# Allegro board 8880F5-0825_4.brd (continued)
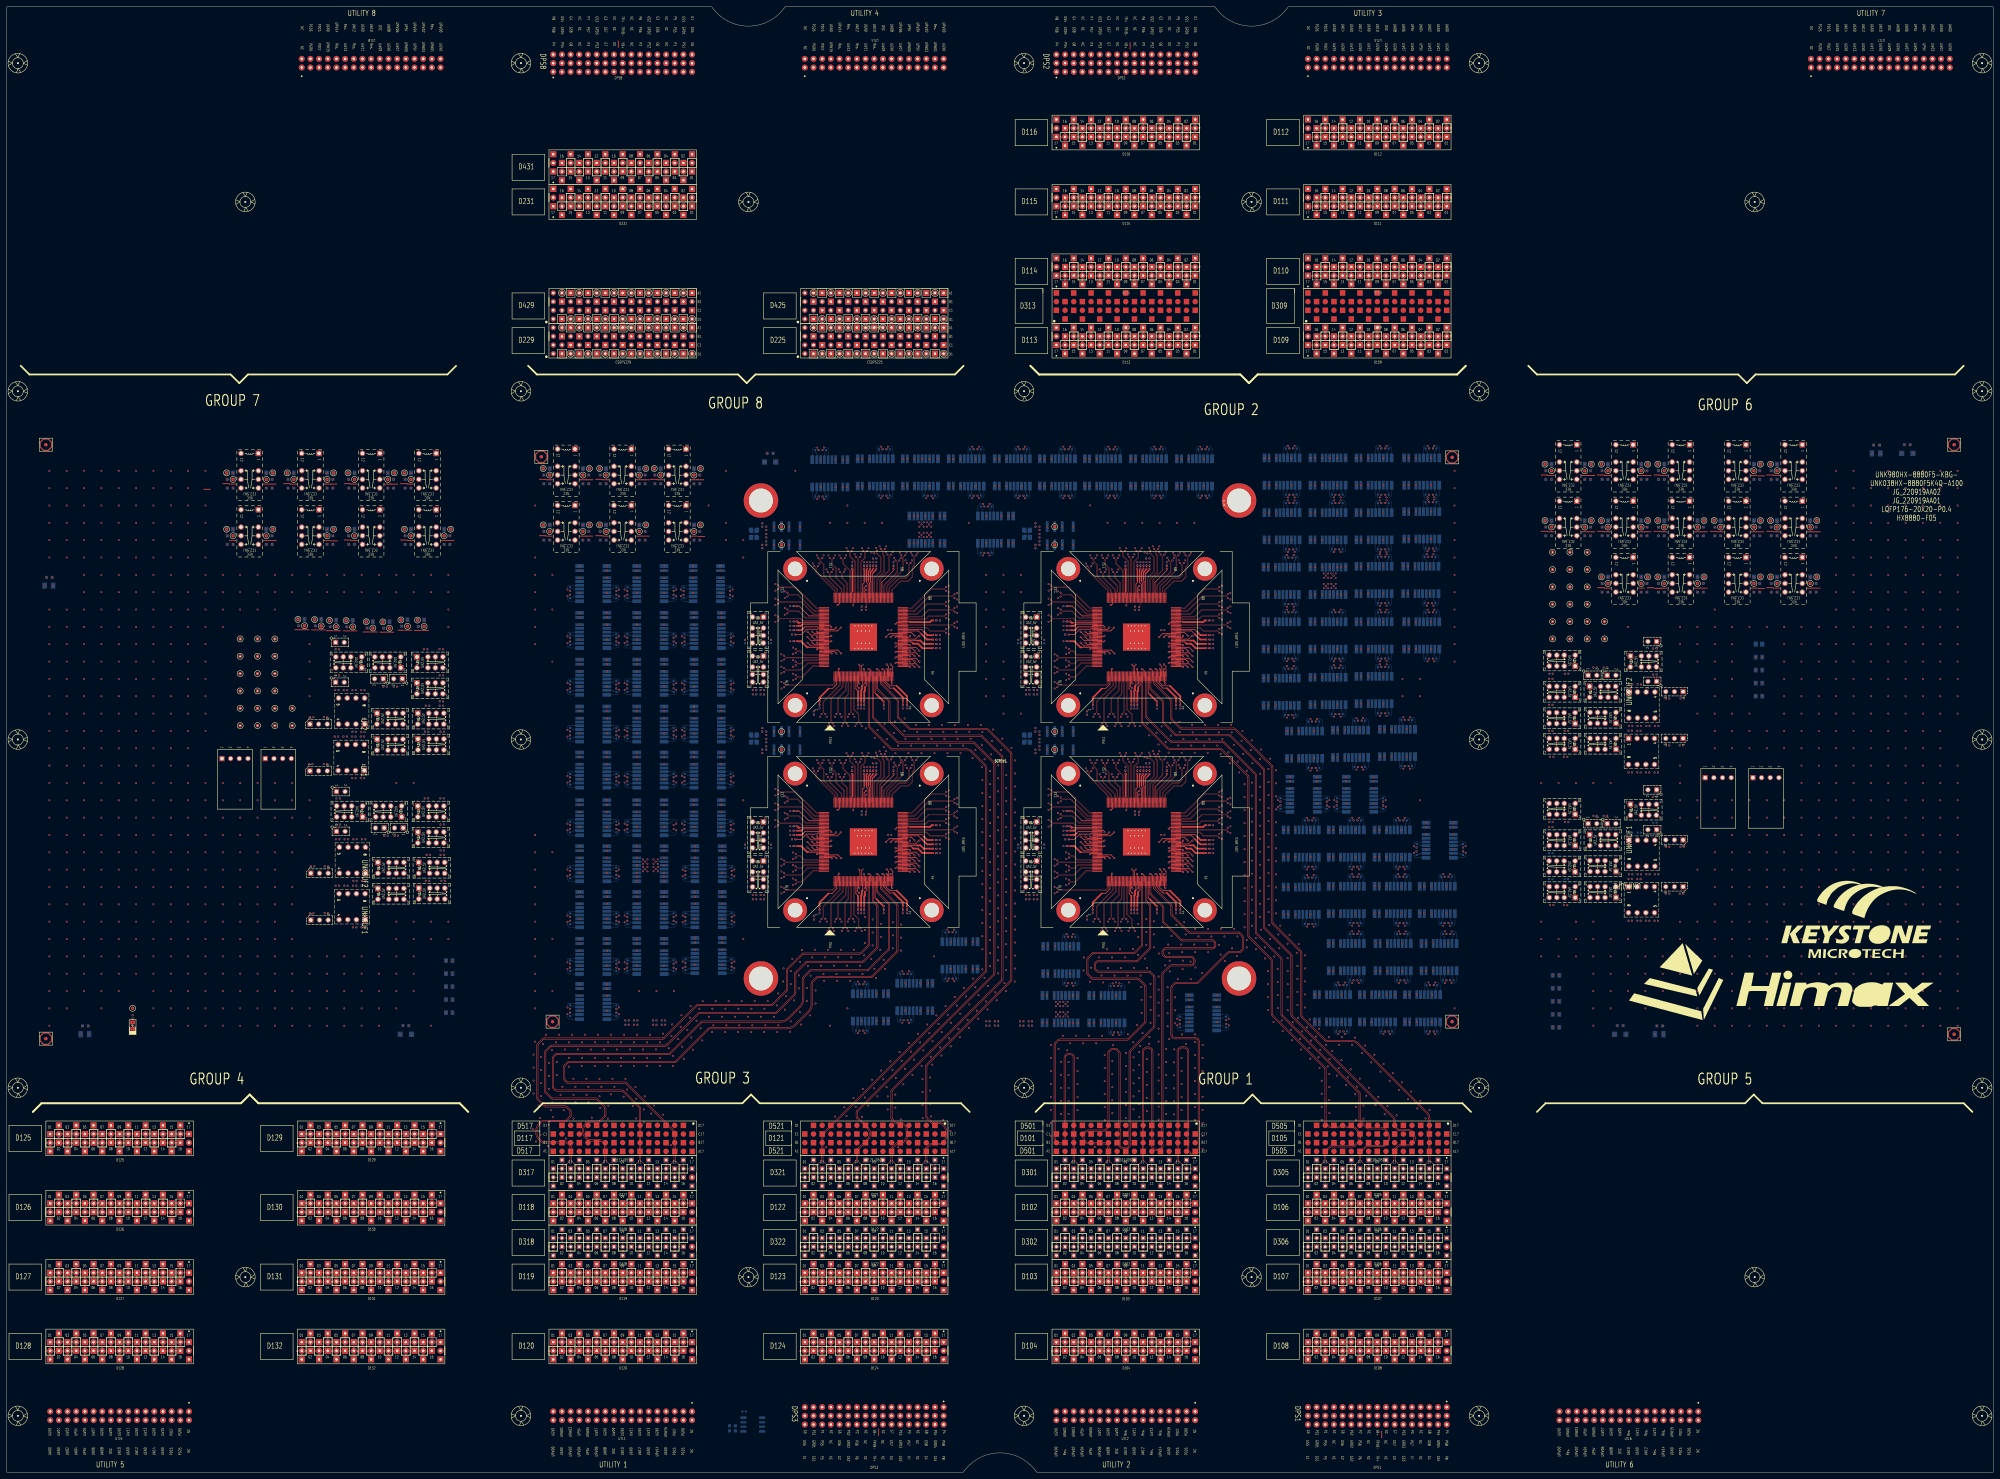
[diagram p0: board, top side]
## Routing (per net, layer and track width the routed paths; a pad name or vN(x,y) marks a point on that pad's centre or on a via; arc(x,y) is an arc through that point) (continued)
N26125713: length 3
  BOTTOM w0.119: R52.1 178.01,228.6 177.54,229.07 K24.4
N26125715: length 3
  BOTTOM w0.119: K24.6 165.87,231.27 165.4,231.74 R53.2
N26125717: length 3
  BOTTOM w0.119: R54.1 165.4,228.6 165.87,229.07 K24.5
N26125746: length 3
  BOTTOM w0.119: R102.2 211.54,245.46 211.07,244.98 K22.3
N26125748: length 3
  BOTTOM w0.119: R103.1 211.54,242.31 211.07,242.78 K22.4
N26125750: length 3
  BOTTOM w0.119: K27.3 177.54,244.98 178.01,245.46 R104.2
N26125752: length 3
  BOTTOM w0.119: R105.1 178.01,242.31 177.54,242.78 K27.4
N26138300:
  vias: v1(113.29,230.12)
N26138322:
  vias: v1(110.24,230.12)
N26323523: length 3
  BOTTOM w0.119: K17.3 255.9,298.7 255.43,299.17 R71.2
N26323525: length 3
  BOTTOM w0.119: K17.4 258.1,298.7 258.58,299.17 R72.1
N26323527: length 3
  BOTTOM w0.119: K17.5 258.1,287.03 258.58,286.55 R74.1
N26323529: length 3
  BOTTOM w0.119: K17.6 255.9,287.03 255.43,286.55 R73.2
N26323531: length 3
  BOTTOM w0.119: R75.2 282.1,299.17 282.57,298.7 K21.3
N26323533: length 3
  BOTTOM w0.119: R76.1 285.25,299.17 284.77,298.7 K21.4
N26323535: length 3
  BOTTOM w0.119: K21.5 284.77,287.03 285.25,286.55 R78.1
N26323537: length 3
  BOTTOM w0.119: R77.2 282.1,286.55 282.57,287.03 K21.6
N26323539: length 3
  BOTTOM w0.119: K29.3 177.54,258.7 178.01,259.17 R79.2
N26323541: length 3
  BOTTOM w0.119: R80.1 178.01,256.03 177.54,256.5 K29.4
N26323543: length 3
  BOTTOM w0.119: R43.2 165.4,259.17 165.87,258.7 K29.6
N26323545: length 3
  BOTTOM w0.119: K29.5 165.87,256.5 165.4,256.03 R44.1
N26323547: length 3
  BOTTOM w0.119: R63.2 194.78,259.17 194.3,258.7 K30.3
N26323549: length 3
  BOTTOM w0.119: R64.1 194.78,256.03 194.3,256.5 K30.4
N26323551: length 3
  BOTTOM w0.119: K30.5 182.63,256.5 182.16,256.03 R101.1
N26323553: length 3
  BOTTOM w0.119: K30.6 182.63,258.7 182.16,259.17 R100.2
N26325241: length 3
  BOTTOM w0.119: K16.3 239.4,286.77 239.87,286.3 R67.2
N26325243: length 3
  BOTTOM w0.119: R68.1 236.72,286.3 237.2,286.77 K16.4
N26325245: length 3
  BOTTOM w0.119: R70.1 236.72,298.92 237.2,298.44 K16.5
N26325247: length 3
  BOTTOM w0.119: K16.6 239.4,298.44 239.87,298.92 R69.2
N26326910: length 3
  BOTTOM w0.119: R30.1 338.59,286.55 338.11,287.03 K6.5
N26326941: length 3
  BOTTOM w0.119: K6.3 335.91,298.7 335.44,299.17 R27.2
N26326943: length 3
  BOTTOM w0.119: K6.4 338.11,298.7 338.59,299.17 R28.1
N26326945: length 3
  BOTTOM w0.119: R29.2 335.44,286.55 335.91,287.03 K6.6
N26326947: length 3
  BOTTOM w0.119: R34.1 325.12,286.55 324.65,287.03 K7.5
N26326959: length 3
  BOTTOM w0.119: R31.2 321.98,299.17 322.45,298.7 K7.3
N26326961: length 3
  BOTTOM w0.119: R32.1 325.12,299.17 324.65,298.7 K7.4
N26326963: length 3
  BOTTOM w0.119: R33.2 321.98,286.55 322.45,287.03 K7.6
N26327095: length 3
  BOTTOM w0.119: R39.2 288.38,269.79 287.91,270.26 K11.3
N26327097: length 3
  BOTTOM w0.119: R40.1 285.24,269.79 285.71,270.26 K11.4
N26327099: length 3
  BOTTOM w0.119: K8.5 271.31,287.03 271.78,286.55 R38.1
N26327103: length 3
  BOTTOM w0.119: R37.2 268.64,286.55 269.11,287.03 K8.6
N26327105: length 3
  BOTTOM w0.119: K11.6 287.91,281.93 288.38,282.41 R41.2
N26327107: length 3
  BOTTOM w0.119: K11.5 285.71,281.93 285.24,282.41 R42.1
N26328546: length 3
  BOTTOM w0.119: K5.5 351.58,287.03 352.05,286.55 R26.1
N26328550: length 3
  BOTTOM w0.119: K5.3 349.38,298.7 348.9,299.17 R23.2
N26328552: length 3
  BOTTOM w0.119: R24.1 352.05,299.17 351.58,298.7 K5.4
N26328554: length 3
  BOTTOM w0.119: K5.6 349.38,287.03 348.9,286.55 R25.2
N26330264: length 3
  BOTTOM w0.119: R18.1 298.71,286.55 298.24,287.03 K3.5
N26330266: length 3
  BOTTOM w0.119: K3.6 296.04,287.03 295.56,286.55 R17.2
N26330268: length 3
  BOTTOM w0.119: K3.4 298.24,298.7 298.71,299.17 R16.1
N26330270: length 3
  BOTTOM w0.119: R15.2 295.56,299.17 296.04,298.7 K3.3
N26330276: length 3
  BOTTOM w0.119: K1.5 165.87,215.35 165.4,214.88 R10.1
N26330278: length 3
  BOTTOM w0.119: K1.6 165.87,217.55 165.4,218.02 R9.2
N26330280: length 3
  BOTTOM w0.119: K1.4 177.54,215.35 178.01,214.88 R8.1
N26330282: length 3
  BOTTOM w0.119: K1.3 177.54,217.55 178.01,218.02 R7.2
N26330286: length 3
  BOTTOM w0.119: K2.3 211.07,231.27 211.54,231.74 R11.2
N26330288: length 3
  BOTTOM w0.119: R12.1 211.54,228.6 211.07,229.07 K2.4
N26330290: length 3
  BOTTOM w0.119: R22.1 311.92,286.55 311.44,287.03 K4.5
N26330294: length 3
  BOTTOM w0.119: R19.2 308.77,299.17 309.24,298.7 K4.3
N26330296: length 3
  BOTTOM w0.119: K4.4 311.44,298.7 311.92,299.17 R20.1
N26330298: length 3
  BOTTOM w0.119: R21.2 308.77,286.55 309.24,287.03 K4.6
N26330300: length 3
  BOTTOM w0.119: K2.5 199.4,229.07 198.92,228.6 R14.1
N26330302: length 3
  BOTTOM w0.119: R13.2 198.92,231.74 199.4,231.27 K2.6
N26336814:
  vias: v1(123.12,241.1)
N26336816:
  vias: v1(127.7,241.1)
N26336828:
  vias: v1(222.38,273.82) v1(222.38,272.66) v1(224.65,271.67)
N26336832:
  vias: v1(222.38,275.98) v1(222.38,274.82) v1(224.65,276.97)
N26336834:
  vias: v1(221.21,276.98) v1(222.38,276.98)
N26336836:
  vias: v1(221.21,271.66) v1(222.38,271.66)
N26336892:
  vias: v1(127.75,225.81)
N26336894:
  vias: v1(127.75,233.43)
N26337539:
  vias: v1(96.27,241.05)
N26337547:
  vias: v1(96.27,233.43)
N26486525: length 3
  BOTTOM w0.119: UNK2R55.2 401.48,235.42 401.95,234.94 UNK2K25.3
N26486526: length 3
  BOTTOM w0.119: UNK2K25.4 404.15,234.94 404.63,235.42 UNK2R56.1
N26486527: length 3
  BOTTOM w0.119: UNK2R57.2 401.48,222.8 401.95,223.27 UNK2K25.6
N26486528: length 3
  BOTTOM w0.119: UNK2K25.5 404.15,223.27 404.63,222.8 UNK2R58.1
N26486530: length 3
  BOTTOM w0.119: UNK2R59.2 394.62,219.67 395.1,219.2 UNK2K26.3
N26486531: length 3
  BOTTOM w0.119: UNK2K26.4 397.3,219.2 397.77,219.67 UNK2R60.1
N26486532: length 3
  BOTTOM w0.119: UNK2R61.2 394.62,207.05 395.1,207.52 UNK2K26.6
N26486533: length 3
  BOTTOM w0.119: UNK2R62.1 397.77,207.05 397.3,207.52 UNK2K26.5
N26486535: length 3
  BOTTOM w0.119: UNK2R66.1 384.31,206.8 383.83,207.27 UNK2K27.5
N26486536: length 3
  BOTTOM w0.119: UNK2R65.2 381.16,206.8 381.63,207.27 UNK2K27.6
N26486543: length 3
  BOTTOM w0.119: UNK2K22.6 374.78,222.76 374.3,222.29 UNK2R45.2
N26486544: length 3
  BOTTOM w0.119: UNK2R46.1 377.45,222.29 376.98,222.76 UNK2K22.5
N26486545: length 3
  BOTTOM w0.119: UNK2R47.2 388.02,235.16 388.49,234.69 UNK2K23.3
N26486546: length 3
  BOTTOM w0.119: UNK2K23.4 390.69,234.69 391.16,235.16 UNK2R48.1
N26486547: length 3
  BOTTOM w0.119: UNK2R49.2 388.02,222.55 388.49,223.02 UNK2K23.6
N26486548: length 3
  BOTTOM w0.119: UNK2R50.1 391.16,222.55 390.69,223.02 UNK2K23.5
N26486550: length 3
  BOTTOM w0.119: UNK2K24.3 388.49,250.95 388.02,251.42 UNK2R51.2
N26486551: length 3
  BOTTOM w0.119: UNK2R52.1 391.16,251.42 390.69,250.95 UNK2K24.4
N26486552: length 3
  BOTTOM w0.119: UNK2R53.2 388.02,238.8 388.49,239.27 UNK2K24.6
N26486553: length 3
  BOTTOM w0.119: UNK2K24.5 390.69,239.27 391.16,238.8 UNK2R54.1
N26486568: length 3
  BOTTOM w0.119: UNK2R102.2 374.3,234.91 374.78,234.44 UNK2K22.3
N26486569: length 3
  BOTTOM w0.119: UNK2R103.1 377.45,234.91 376.98,234.44 UNK2K22.4
N26486570: length 3
  BOTTOM w0.119: UNK2R104.2 381.16,219.41 381.63,218.94 UNK2K27.3
N26486571: length 3
  BOTTOM w0.119: UNK2K27.4 383.83,218.94 384.31,219.41 UNK2R105.1
N26486686:
  vias: v1(465.57,235.71)
N26486691:
  vias: v1(468.62,235.71)
N26486726: length 3
  BOTTOM w0.119: UNK2R71.2 374.56,299.42 375.03,298.95 UNK2K17.3
N26486727: length 3
  BOTTOM w0.119: UNK2R72.1 377.7,299.42 377.23,298.95 UNK2K17.4
N26486728: length 3
  BOTTOM w0.119: UNK2R74.1 377.7,286.81 377.23,287.28 UNK2K17.5
N26486729: length 3
  BOTTOM w0.119: UNK2R73.2 374.56,286.81 375.03,287.28 UNK2K17.6
N26486730: length 3
  BOTTOM w0.119: UNK2R75.2 401.48,299.42 401.95,298.95 UNK2K21.3
N26486731: length 3
  BOTTOM w0.119: UNK2R76.1 404.63,299.42 404.15,298.95 UNK2K21.4
N26486732: length 3
  BOTTOM w0.119: UNK2K21.5 404.15,287.28 404.63,286.81 UNK2R78.1
N26486733: length 3
  BOTTOM w0.119: UNK2K21.6 401.95,287.28 401.48,286.81 UNK2R77.2
N26486734: length 3
  BOTTOM w0.119: UNK2K29.3 374.78,250.95 374.3,251.42 UNK2R79.2
N26486735: length 3
  BOTTOM w0.119: UNK2R80.1 377.45,251.42 376.98,250.95 UNK2K29.4
N26486736: length 3
  BOTTOM w0.119: UNK2R43.2 374.3,238.8 374.78,239.27 UNK2K29.6
N26486737: length 3
  BOTTOM w0.119: UNK2K29.5 376.98,239.27 377.45,238.8 UNK2R44.1
N26486738: length 3
  BOTTOM w0.119: UNK2K30.3 415.92,250.95 415.45,251.42 UNK2R63.2
N26486739: length 3
  BOTTOM w0.119: UNK2K30.4 418.12,250.95 418.6,251.42 UNK2R64.1
N26486740: length 3
  BOTTOM w0.119: UNK2R101.1 418.6,238.8 418.12,239.27 UNK2K30.5
N26486741: length 3
  BOTTOM w0.119: UNK2R100.2 415.45,238.8 415.92,239.27 UNK2K30.6
N26486822: length 3
  BOTTOM w0.119: UNK2R67.2 374.3,267.42 374.78,266.95 UNK2K16.3
N26486823: length 3
  BOTTOM w0.119: UNK2K16.4 376.98,266.95 377.45,267.42 UNK2R68.1
N26486824: length 3
  BOTTOM w0.119: UNK2R70.1 377.45,254.8 376.98,255.28 UNK2K16.5
N26486825: length 3
  BOTTOM w0.119: UNK2K16.6 374.78,255.28 374.3,254.8 UNK2R69.2
N26486847: length 3
  BOTTOM w0.119: UNK2K6.5 404.15,271.28 404.63,270.81 UNK2R30.1
N26486849: length 3
  BOTTOM w0.119: UNK2K6.3 401.95,282.95 401.48,283.42 UNK2R27.2
N26486850: length 3
  BOTTOM w0.119: UNK2K6.4 404.15,282.95 404.63,283.42 UNK2R28.1
N26486851: length 3
  BOTTOM w0.119: UNK2K6.6 401.95,271.28 401.48,270.81 UNK2R29.2
N26486852: length 3
  BOTTOM w0.119: UNK2K7.5 390.69,271.28 391.16,270.81 UNK2R34.1
N26486854: length 3
  BOTTOM w0.119: UNK2R31.2 388.02,283.42 388.49,282.95 UNK2K7.3
N26486855: length 3
  BOTTOM w0.119: UNK2R32.1 391.16,283.42 390.69,282.95 UNK2K7.4
N26486856: length 3
  BOTTOM w0.119: UNK2K7.6 388.49,271.28 388.02,270.81 UNK2R33.2
N26486898: length 3
  BOTTOM w0.119: UNK2K11.3 415.67,267.2 415.2,267.67 UNK2R39.2
N26486899: length 3
  BOTTOM w0.119: UNK2R40.1 418.34,267.67 417.87,267.2 UNK2K11.4
N26486900: length 3
  BOTTOM w0.119: UNK2R38.1 391.16,286.81 390.69,287.28 UNK2K8.5
N26486902: length 3
  BOTTOM w0.119: UNK2K8.6 388.49,287.28 388.02,286.81 UNK2R37.2
N26486903: length 3
  BOTTOM w0.119: UNK2R41.2 415.2,255.06 415.67,255.53 UNK2K11.6
N26486904: length 3
  BOTTOM w0.119: UNK2R42.1 418.34,255.06 417.87,255.53 UNK2K11.5
N26486946: length 3
  BOTTOM w0.119: UNK2K5.5 404.15,255.53 404.63,255.06 UNK2R26.1
N26486948: length 3
  BOTTOM w0.119: UNK2R23.2 401.48,267.67 401.95,267.2 UNK2K5.3
N26486949: length 3
  BOTTOM w0.119: UNK2K5.4 404.15,267.2 404.63,267.67 UNK2R24.1
N26486950: length 3
  BOTTOM w0.119: UNK2R25.2 401.48,255.06 401.95,255.53 UNK2K5.6
N26486971: length 3
  BOTTOM w0.119: UNK2R18.1 404.63,238.8 404.15,239.27 UNK2K3.5
N26486972: length 3
  BOTTOM w0.119: UNK2R17.2 401.48,238.8 401.95,239.27 UNK2K3.6
N26486973: length 3
  BOTTOM w0.119: UNK2R16.1 404.63,251.42 404.15,250.95 UNK2K3.4
N26486974: length 3
  BOTTOM w0.119: UNK2R15.2 401.48,251.42 401.95,250.95 UNK2K3.3
N26486977: length 3
  BOTTOM w0.119: UNK2R10.1 418.6,286.81 418.12,287.28 UNK2K1.5
N26486978: length 3
  BOTTOM w0.119: UNK2R9.2 415.45,286.81 415.92,287.28 UNK2K1.6
N26486979: length 3
  BOTTOM w0.119: UNK2K1.4 418.12,298.95 418.6,299.42 UNK2R8.1
N26486980: length 3
  BOTTOM w0.119: UNK2K1.3 415.92,298.95 415.45,299.42 UNK2R7.2
N26486982: length 3
  BOTTOM w0.119: UNK2K2.3 415.92,283.2 415.45,283.68 UNK2R11.2
N26486983: length 3
  BOTTOM w0.119: UNK2K2.4 418.12,283.2 418.6,283.68 UNK2R12.1
N26486984: length 3
  BOTTOM w0.119: UNK2K4.5 377.23,271.28 377.7,270.81 UNK2R22.1
N26486986: length 3
  BOTTOM w0.119: UNK2R19.2 374.56,283.42 375.03,282.95 UNK2K4.3
N26486987: length 3
  BOTTOM w0.119: UNK2K4.4 377.23,282.95 377.7,283.42 UNK2R20.1
N26486988: length 3
  BOTTOM w0.119: UNK2R21.2 374.56,270.81 375.03,271.28 UNK2K4.6
N26486989: length 3
  BOTTOM w0.119: UNK2K2.5 418.12,271.53 418.6,271.06 UNK2R14.1
N26486990: length 3
  BOTTOM w0.119: UNK2K2.6 415.92,271.53 415.45,271.06 UNK2R13.2
N26487182:
  vias: v1(456.25,233.88)
N26487183:
  vias: v1(451.68,233.88)
N26487190:
  vias: v1(302.38,273.82) v1(302.38,272.66) v1(304.65,271.67)
N26487192:
  vias: v1(302.38,275.98) v1(302.38,274.82) v1(304.65,276.97)
N26487193:
  vias: v1(301.21,276.98) v1(302.38,276.98)
N26487194:
  vias: v1(301.21,271.66) v1(302.38,271.66)
N26487223:
  vias: v1(451.62,232.41)
N26487224:
  vias: v1(451.62,224.79)
N26487285:
  vias: v1(483.1,233.68)
N26487289:
  vias: v1(483.1,241.3)
N26491412:
  vias: v1(491.1,226.67)
N26491416:
  vias: v1(490.86,212.91)
N26491418:
  vias: v1(485.8,212.91)
N26491425:
  vias: v1(477.53,218.59)
N26491459:
  vias: v1(477.43,204.98)
N26491497:
  vias: v1(485.8,226.62)
N26492255:
  vias: v1(462.07,290.83)
N26492261:
  vias: v1(485.35,290.83)
N26492266:
  vias: v1(462.07,274.32)
N26492386:
  vias: v1(478.58,274.32)
N26492392:
  vias: v1(495.09,274.32)
N26492464:
  vias: v1(511.6,290.83)
N26492470:
  vias: v1(478.58,290.83)
N26492603:
  vias: v1(485.35,274.32)
N26492609:
  vias: v1(468.84,274.32)
N26492613:
  vias: v1(468.84,290.83)
N26492615:
  vias: v1(452.33,274.32)
N26492621:
  vias: v1(452.33,290.83)
N26495382: length 3
  BOTTOM w0.119: UNK3R55.2 211.79,163.67 211.32,163.2 UNK3K25.3
N26495383: length 3
  BOTTOM w0.119: UNK3R56.1 211.79,160.52 211.32,161 UNK3K25.4
N26495384: length 3
  BOTTOM w0.119: UNK3K25.6 199.65,163.2 199.18,163.67 UNK3R57.2
N26495385: length 3
  BOTTOM w0.119: UNK3R58.1 199.18,160.52 199.65,161 UNK3K25.5
N26495387: length 3
  BOTTOM w0.119: UNK3R59.2 194.78,163.67 194.3,163.2 UNK3K26.3
N26495388: length 3
  BOTTOM w0.119: UNK3R60.1 194.78,160.52 194.3,161 UNK3K26.4
N26495389: length 3
  BOTTOM w0.119: UNK3K26.6 182.63,163.2 182.16,163.67 UNK3R61.2
N26495390: length 3
  BOTTOM w0.119: UNK3R62.1 182.16,160.52 182.63,161 UNK3K26.5
N26495392: length 3
  BOTTOM w0.119: UNK3K27.5 199.65,174.46 199.18,173.99 UNK3R66.1
N26495393: length 3
  BOTTOM w0.119: UNK3R65.2 199.18,177.13 199.65,176.66 UNK3K27.6
N26495400: length 3
  BOTTOM w0.119: UNK3R45.2 199.18,150.21 199.65,149.73 UNK3K22.6
N26495401: length 3
  BOTTOM w0.119: UNK3R46.1 199.18,147.06 199.65,147.53 UNK3K22.5
N26495402: length 3
  BOTTOM w0.119: UNK3K23.3 177.54,136.27 178.01,136.74 UNK3R47.2
N26495403: length 3
  BOTTOM w0.119: UNK3R48.1 178.01,133.6 177.54,134.07 UNK3K23.4
N26495404: length 3
  BOTTOM w0.119: UNK3R49.2 165.4,136.74 165.87,136.27 UNK3K23.6
N26495405: length 3
  BOTTOM w0.119: UNK3K23.5 165.87,134.07 165.4,133.6 UNK3R50.1
N26495407: length 3
  BOTTOM w0.119: UNK3K24.3 194.3,149.48 194.78,149.95 UNK3R51.2
N26495408: length 3
  BOTTOM w0.119: UNK3R52.1 194.78,146.81 194.3,147.28 UNK3K24.4
N26495409: length 3
  BOTTOM w0.119: UNK3R53.2 182.16,149.95 182.63,149.48 UNK3K24.6
N26495410: length 3
  BOTTOM w0.119: UNK3R54.1 182.16,146.81 182.63,147.28 UNK3K24.5
N26495425: length 3
  BOTTOM w0.119: UNK3R102.2 211.79,150.21 211.32,149.73 UNK3K22.3
N26495426: length 3
  BOTTOM w0.119: UNK3R103.1 211.79,147.06 211.32,147.53 UNK3K22.4
N26495427: length 3
  BOTTOM w0.119: UNK3R104.2 211.79,177.13 211.32,176.66 UNK3K27.3
N26495428: length 3
  BOTTOM w0.119: UNK3K27.4 211.32,174.46 211.79,173.99 UNK3R105.1
N26495543:
  vias: v1(113.55,186.44)
N26495548:
  vias: v1(110.5,186.44)
N26495583: length 3
  BOTTOM w0.119: UNK3K17.3 177.54,190.12 178.01,190.59 UNK3R71.2
N26495584: length 3
  BOTTOM w0.119: UNK3R72.1 178.01,187.45 177.54,187.92 UNK3K17.4
N26495585: length 3
  BOTTOM w0.119: UNK3R74.1 165.4,187.45 165.87,187.92 UNK3K17.5
N26495586: length 3
  BOTTOM w0.119: UNK3K17.6 165.87,190.12 165.4,190.59 UNK3R73.2
N26495587: length 3
  BOTTOM w0.119: UNK3K21.3 211.07,190.12 211.54,190.59 UNK3R75.2
N26495588: length 3
  BOTTOM w0.119: UNK3R76.1 211.54,187.45 211.07,187.92 UNK3K21.4
N26495589: length 3
  BOTTOM w0.119: UNK3K21.5 199.4,187.92 198.92,187.45 UNK3R78.1
N26495590: length 3
  BOTTOM w0.119: UNK3R77.2 198.92,190.59 199.4,190.12 UNK3K21.6
N26495591: length 3
  BOTTOM w0.119: UNK3R79.2 178.01,163.67 177.54,163.2 UNK3K29.3
N26495592: length 3
  BOTTOM w0.119: UNK3R80.1 178.01,160.52 177.54,161 UNK3K29.4
N26495593: length 3
  BOTTOM w0.119: UNK3R43.2 165.4,163.67 165.87,163.2 UNK3K29.6
N26495594: length 3
  BOTTOM w0.119: UNK3K29.5 165.87,161 165.4,160.52 UNK3R44.1
N26495595: length 3
  BOTTOM w0.119: UNK3R63.2 178.01,149.95 177.54,149.48 UNK3K30.3
N26495596: length 3
  BOTTOM w0.119: UNK3R64.1 178.01,146.81 177.54,147.28 UNK3K30.4
N26495597: length 3
  BOTTOM w0.119: UNK3K30.5 165.87,147.28 165.4,146.81 UNK3R101.1
N26495598: length 3
  BOTTOM w0.119: UNK3R100.2 165.4,149.95 165.87,149.48 UNK3K30.6
N26495679: length 3
  BOTTOM w0.119: UNK3K16.3 211.07,204.09 211.54,204.56 UNK3R67.2
N26495680: length 3
  BOTTOM w0.119: UNK3R68.1 211.54,201.42 211.07,201.89 UNK3K16.4
N26495681: length 3
  BOTTOM w0.119: UNK3R70.1 198.92,201.42 199.4,201.89 UNK3K16.5
N26495682: length 3
  BOTTOM w0.119: UNK3K16.6 199.4,204.09 198.92,204.56 UNK3R69.2
N26495704: length 3
  BOTTOM w0.119: UNK3K6.5 199.4,215.35 198.92,214.88 UNK3R30.1
N26495706: length 3
  BOTTOM w0.119: UNK3K6.3 211.07,217.55 211.54,218.02 UNK3R27.2
N26495707: length 3
  BOTTOM w0.119: UNK3R28.1 211.54,214.88 211.07,215.35 UNK3K6.4
N26495708: length 3
  BOTTOM w0.119: UNK3K6.6 199.4,217.55 198.92,218.02 UNK3R29.2
N26495709: length 3
  BOTTOM w0.119: UNK3K7.5 182.63,201.89 182.16,201.42 UNK3R34.1
N26495711: length 3
  BOTTOM w0.119: UNK3R31.2 194.78,204.56 194.3,204.09 UNK3K7.3
N26495712: length 3
  BOTTOM w0.119: UNK3K7.4 194.3,201.89 194.78,201.42 UNK3R32.1
N26495713: length 3
  BOTTOM w0.119: UNK3R33.2 182.16,204.56 182.63,204.09 UNK3K7.6
N26495755: length 3
  BOTTOM w0.119: UNK3K11.3 177.54,204.09 178.01,204.56 UNK3R39.2
N26495756: length 3
  BOTTOM w0.119: UNK3K11.4 177.54,201.89 178.01,201.42 UNK3R40.1
N26495757: length 3
  BOTTOM w0.119: UNK3K8.5 182.63,187.92 182.16,187.45 UNK3R38.1
N26495759: length 3
  BOTTOM w0.119: UNK3K8.6 182.63,190.12 182.16,190.59 UNK3R37.2
N26495760: length 3
  BOTTOM w0.119: UNK3K11.6 165.87,204.09 165.4,204.56 UNK3R41.2
N26495761: length 3
  BOTTOM w0.119: UNK3R42.1 165.4,201.42 165.87,201.89 UNK3K11.5
N26495803: length 3
  BOTTOM w0.119: UNK3K5.5 182.63,215.35 182.16,214.88 UNK3R26.1
N26495805: length 3
  BOTTOM w0.119: UNK3R23.2 194.78,218.02 194.3,217.55 UNK3K5.3
N26495806: length 3
  BOTTOM w0.119: UNK3K5.4 194.3,215.35 194.78,214.88 UNK3R24.1
N26495807: length 3
  BOTTOM w0.119: UNK3R25.2 182.16,218.02 182.63,217.55 UNK3K5.6
N26495828: length 3
  BOTTOM w0.119: UNK3R18.1 261.62,145.5 262.09,145.03 UNK3K3.5
N26495829: length 3
  BOTTOM w0.119: UNK3R17.2 264.76,145.5 264.29,145.03 UNK3K3.6
N26495830: length 3
  BOTTOM w0.119: UNK3R16.1 261.62,132.88 262.09,133.36 UNK3K3.4
N26495831: length 3
  BOTTOM w0.119: UNK3K3.3 264.29,133.36 264.76,132.88 UNK3R15.2
N26495834: length 3
  BOTTOM w0.119: UNK3K1.5 275.3,157.22 274.82,157.69 UNK3R10.1
N26495835: length 3
  BOTTOM w0.119: UNK3K1.6 277.5,157.22 277.97,157.69 UNK3R9.2
N26495836: length 3
  BOTTOM w0.119: UNK3R8.1 274.82,145.08 275.3,145.55 UNK3K1.4
N26495837: length 3
  BOTTOM w0.119: UNK3K1.3 277.5,145.55 277.97,145.08 UNK3R7.2
N26495839: length 3
  BOTTOM w0.119: UNK3R11.2 251.81,129.84 251.33,130.31 UNK3K2.3
N26495840: length 3
  BOTTOM w0.119: UNK3K2.4 249.13,130.31 248.66,129.84 UNK3R12.1
N26495841: length 3
  BOTTOM w0.119: UNK3R22.1 165.4,173.99 165.87,174.46 UNK3K4.5
N26495843: length 3
  BOTTOM w0.119: UNK3K4.3 177.54,176.66 178.01,177.13 UNK3R19.2
N26495844: length 3
  BOTTOM w0.119: UNK3R20.1 178.01,173.99 177.54,174.46 UNK3K4.4
N26495845: length 3
  BOTTOM w0.119: UNK3K4.6 165.87,176.66 165.4,177.13 UNK3R21.2
N26495846: length 3
  BOTTOM w0.119: UNK3K2.5 249.13,141.98 248.66,142.45 UNK3R14.1
N26495847: length 3
  BOTTOM w0.119: UNK3K2.6 251.33,141.98 251.81,142.45 UNK3R13.2
N26496039:
  vias: v1(123.38,197.41)
N26496040:
  vias: v1(127.95,197.41)
N26496047:
  vias: v1(222.38,213.82) v1(222.38,212.66) v1(224.65,211.67)
N26496049:
  vias: v1(222.38,215.98) v1(222.38,214.82) v1(224.65,216.97)
N26496050:
  vias: v1(221.21,216.98) v1(222.38,216.98)
N26496051:
  vias: v1(221.21,211.66) v1(222.38,211.66)
N26496080:
  vias: v1(128.01,182.12)
N26496081:
  vias: v1(128.01,189.74)
N26496142:
  vias: v1(96.53,197.36)
N26496146:
  vias: v1(96.53,189.74)
N26500269:
  vias: v1(88.78,163.72)
N26500273:
  vias: v1(89.02,177.49)
N26500275:
  vias: v1(94.09,177.49)
N26500282:
  vias: v1(102.35,171.81)
N26500316:
  vias: v1(102.45,185.42)
N26500354:
  vias: v1(94.09,163.77)
N26501112:
  vias: v1(111.55,288.29)
N26501118:
  vias: v1(101.81,271.78)
N26501123:
  vias: v1(128.06,271.78)
N26501243:
  vias: v1(75.99,271.78)
N26501249:
  vias: v1(75.99,288.29)
N26501321:
  vias: v1(93.77,271.78)
N26501327:
  vias: v1(93.77,288.29)
N26501460:
  vias: v1(66.25,288.29)
N26501466:
  vias: v1(66.25,271.78)
N26501470:
  vias: v1(84.03,288.29)
N26501472:
  vias: v1(118.32,271.78)
N26501478:
  vias: v1(101.81,288.29)
N26504239: length 3
  BOTTOM w0.119: UNK4R55.2 393.35,190.46 393.83,189.99 UNK4K25.3
N26504240: length 3
  BOTTOM w0.119: UNK4K25.4 396.03,189.99 396.5,190.46 UNK4R56.1
N26504241: length 3
  BOTTOM w0.119: UNK4R57.2 393.35,177.84 393.83,178.31 UNK4K25.6
N26504242: length 3
  BOTTOM w0.119: UNK4K25.5 396.03,178.31 396.5,177.84 UNK4R58.1
N26504244: length 3
  BOTTOM w0.119: UNK4R59.2 406.82,190.46 407.29,189.99 UNK4K26.3
N26504245: length 3
  BOTTOM w0.119: UNK4K26.4 409.49,189.99 409.96,190.46 UNK4R60.1
N26504246: length 3
  BOTTOM w0.119: UNK4R61.2 406.82,177.84 407.29,178.31 UNK4K26.6
N26504247: length 3
  BOTTOM w0.119: UNK4K26.5 409.49,178.31 409.96,177.84 UNK4R62.1
N26504249: length 3
  BOTTOM w0.119: UNK4K27.5 382.82,161.55 383.29,161.08 UNK4R66.1
N26504250: length 3
  BOTTOM w0.119: UNK4K27.6 380.62,161.55 380.15,161.08 UNK4R65.2
N26504257: length 3
  BOTTOM w0.119: UNK4R45.2 373.42,197.45 373.89,196.98 UNK4K22.6
N26504258: length 3
  BOTTOM w0.119: UNK4K22.5 373.89,194.78 373.42,194.31 UNK4R46.1
N26504259: length 3
  BOTTOM w0.119: UNK4R47.2 402.55,197.45 402.08,196.98 UNK4K23.3
N26504260: length 3
  BOTTOM w0.119: UNK4K23.4 402.08,194.78 402.55,194.31 UNK4R48.1
N26504261: length 3
  BOTTOM w0.119: UNK4R49.2 389.93,197.45 390.4,196.98 UNK4K23.6
N26504262: length 3
  BOTTOM w0.119: UNK4K23.5 390.4,194.78 389.93,194.31 UNK4R50.1
N26504264: length 3
  BOTTOM w0.119: UNK4R51.2 356.57,133.44 356.1,132.97 UNK4K24.3
N26504265: length 3
  BOTTOM w0.119: UNK4R52.1 356.57,130.3 356.1,130.77 UNK4K24.4
N26504266: length 3
  BOTTOM w0.119: UNK4K24.6 344.43,132.97 343.96,133.44 UNK4R53.2
N26504267: length 3
  BOTTOM w0.119: UNK4R54.1 343.96,130.3 344.43,130.77 UNK4K24.5
N26504282: length 3
  BOTTOM w0.119: UNK4K22.3 385.57,196.98 386.04,197.45 UNK4R102.2
N26504283: length 3
  BOTTOM w0.119: UNK4R103.1 386.04,194.31 385.57,194.78 UNK4K22.4
N26504284: length 3
  BOTTOM w0.119: UNK4K27.3 380.62,173.22 380.15,173.69 UNK4R104.2
N26504285: length 3
  BOTTOM w0.119: UNK4K27.4 382.82,173.22 383.29,173.69 UNK4R105.1
N26504400:
  vias: v1(465.57,192.28)
N26504405:
  vias: v1(468.62,192.28)
N26504440: length 3
  BOTTOM w0.119: UNK4K17.3 416.18,141.73 415.71,142.2 UNK4R71.2
N26504441: length 3
  BOTTOM w0.119: UNK4R72.1 418.85,142.2 418.38,141.73 UNK4K17.4
N26504442: length 3
  BOTTOM w0.119: UNK4K17.5 418.38,130.05 418.85,129.58 UNK4R74.1
N26504443: length 3
  BOTTOM w0.119: UNK4R73.2 415.71,129.58 416.18,130.05 UNK4K17.6
N26504444: length 3
  BOTTOM w0.119: UNK4R75.2 389.29,142.2 389.76,141.73 UNK4K21.3
N26504445: length 3
  BOTTOM w0.119: UNK4R76.1 392.43,142.2 391.96,141.73 UNK4K21.4
N26504446: length 3
  BOTTOM w0.119: UNK4R78.1 392.43,129.58 391.96,130.05 UNK4K21.5
N26504447: length 3
  BOTTOM w0.119: UNK4R77.2 389.29,129.58 389.76,130.05 UNK4K21.6
N26504448: length 3
  BOTTOM w0.119: UNK4K29.3 407.29,173.48 406.82,173.95 UNK4R79.2
N26504449: length 3
  BOTTOM w0.119: UNK4R80.1 409.96,173.95 409.49,173.48 UNK4K29.4
N26504450: length 3
  BOTTOM w0.119: UNK4R43.2 406.82,161.33 407.29,161.8 UNK4K29.6
N26504451: length 3
  BOTTOM w0.119: UNK4R44.1 409.96,161.33 409.49,161.8 UNK4K29.5
N26504452: length 3
  BOTTOM w0.119: UNK4K30.3 310.22,155.89 309.75,156.36 UNK4R63.2
N26504453: length 3
  BOTTOM w0.119: UNK4K30.4 312.42,155.89 312.89,156.36 UNK4R64.1
N26504454: length 3
  BOTTOM w0.119: UNK4K30.5 312.42,144.21 312.89,143.74 UNK4R101.1
N26504455: length 3
  BOTTOM w0.119: UNK4K30.6 310.22,144.21 309.75,143.74 UNK4R100.2
N26504536: length 3
  BOTTOM w0.119: UNK4K16.3 393.83,173.48 393.35,173.95 UNK4R67.2
N26504537: length 3
  BOTTOM w0.119: UNK4R68.1 396.5,173.95 396.03,173.48 UNK4K16.4
N26504538: length 3
  BOTTOM w0.119: UNK4K16.5 396.03,161.8 396.5,161.33 UNK4R70.1
N26504539: length 3
  BOTTOM w0.119: UNK4K16.6 393.83,161.8 393.35,161.33 UNK4R69.2
N26504561: length 3
  BOTTOM w0.119: UNK4R30.1 423.68,144.57 423.2,145.04 UNK4K6.5
N26504563: length 3
  BOTTOM w0.119: UNK4K6.3 421,156.71 420.53,157.18 UNK4R27.2
N26504564: length 3
  BOTTOM w0.119: UNK4R28.1 423.68,157.18 423.2,156.71 UNK4K6.4
N26504565: length 3
  BOTTOM w0.119: UNK4K6.6 421,145.04 420.53,144.57 UNK4R29.2
N26504566: length 3
  BOTTOM w0.119: UNK4R34.1 413.3,180.84 413.77,181.32 UNK4K7.5
N26504568: length 3
  BOTTOM w0.119: UNK4K7.3 425.44,183.52 425.92,183.99 UNK4R31.2
